# Altium PCB SAM_E54_Xplained_Pro.PcbDoc (part 4 of 5) (continued)
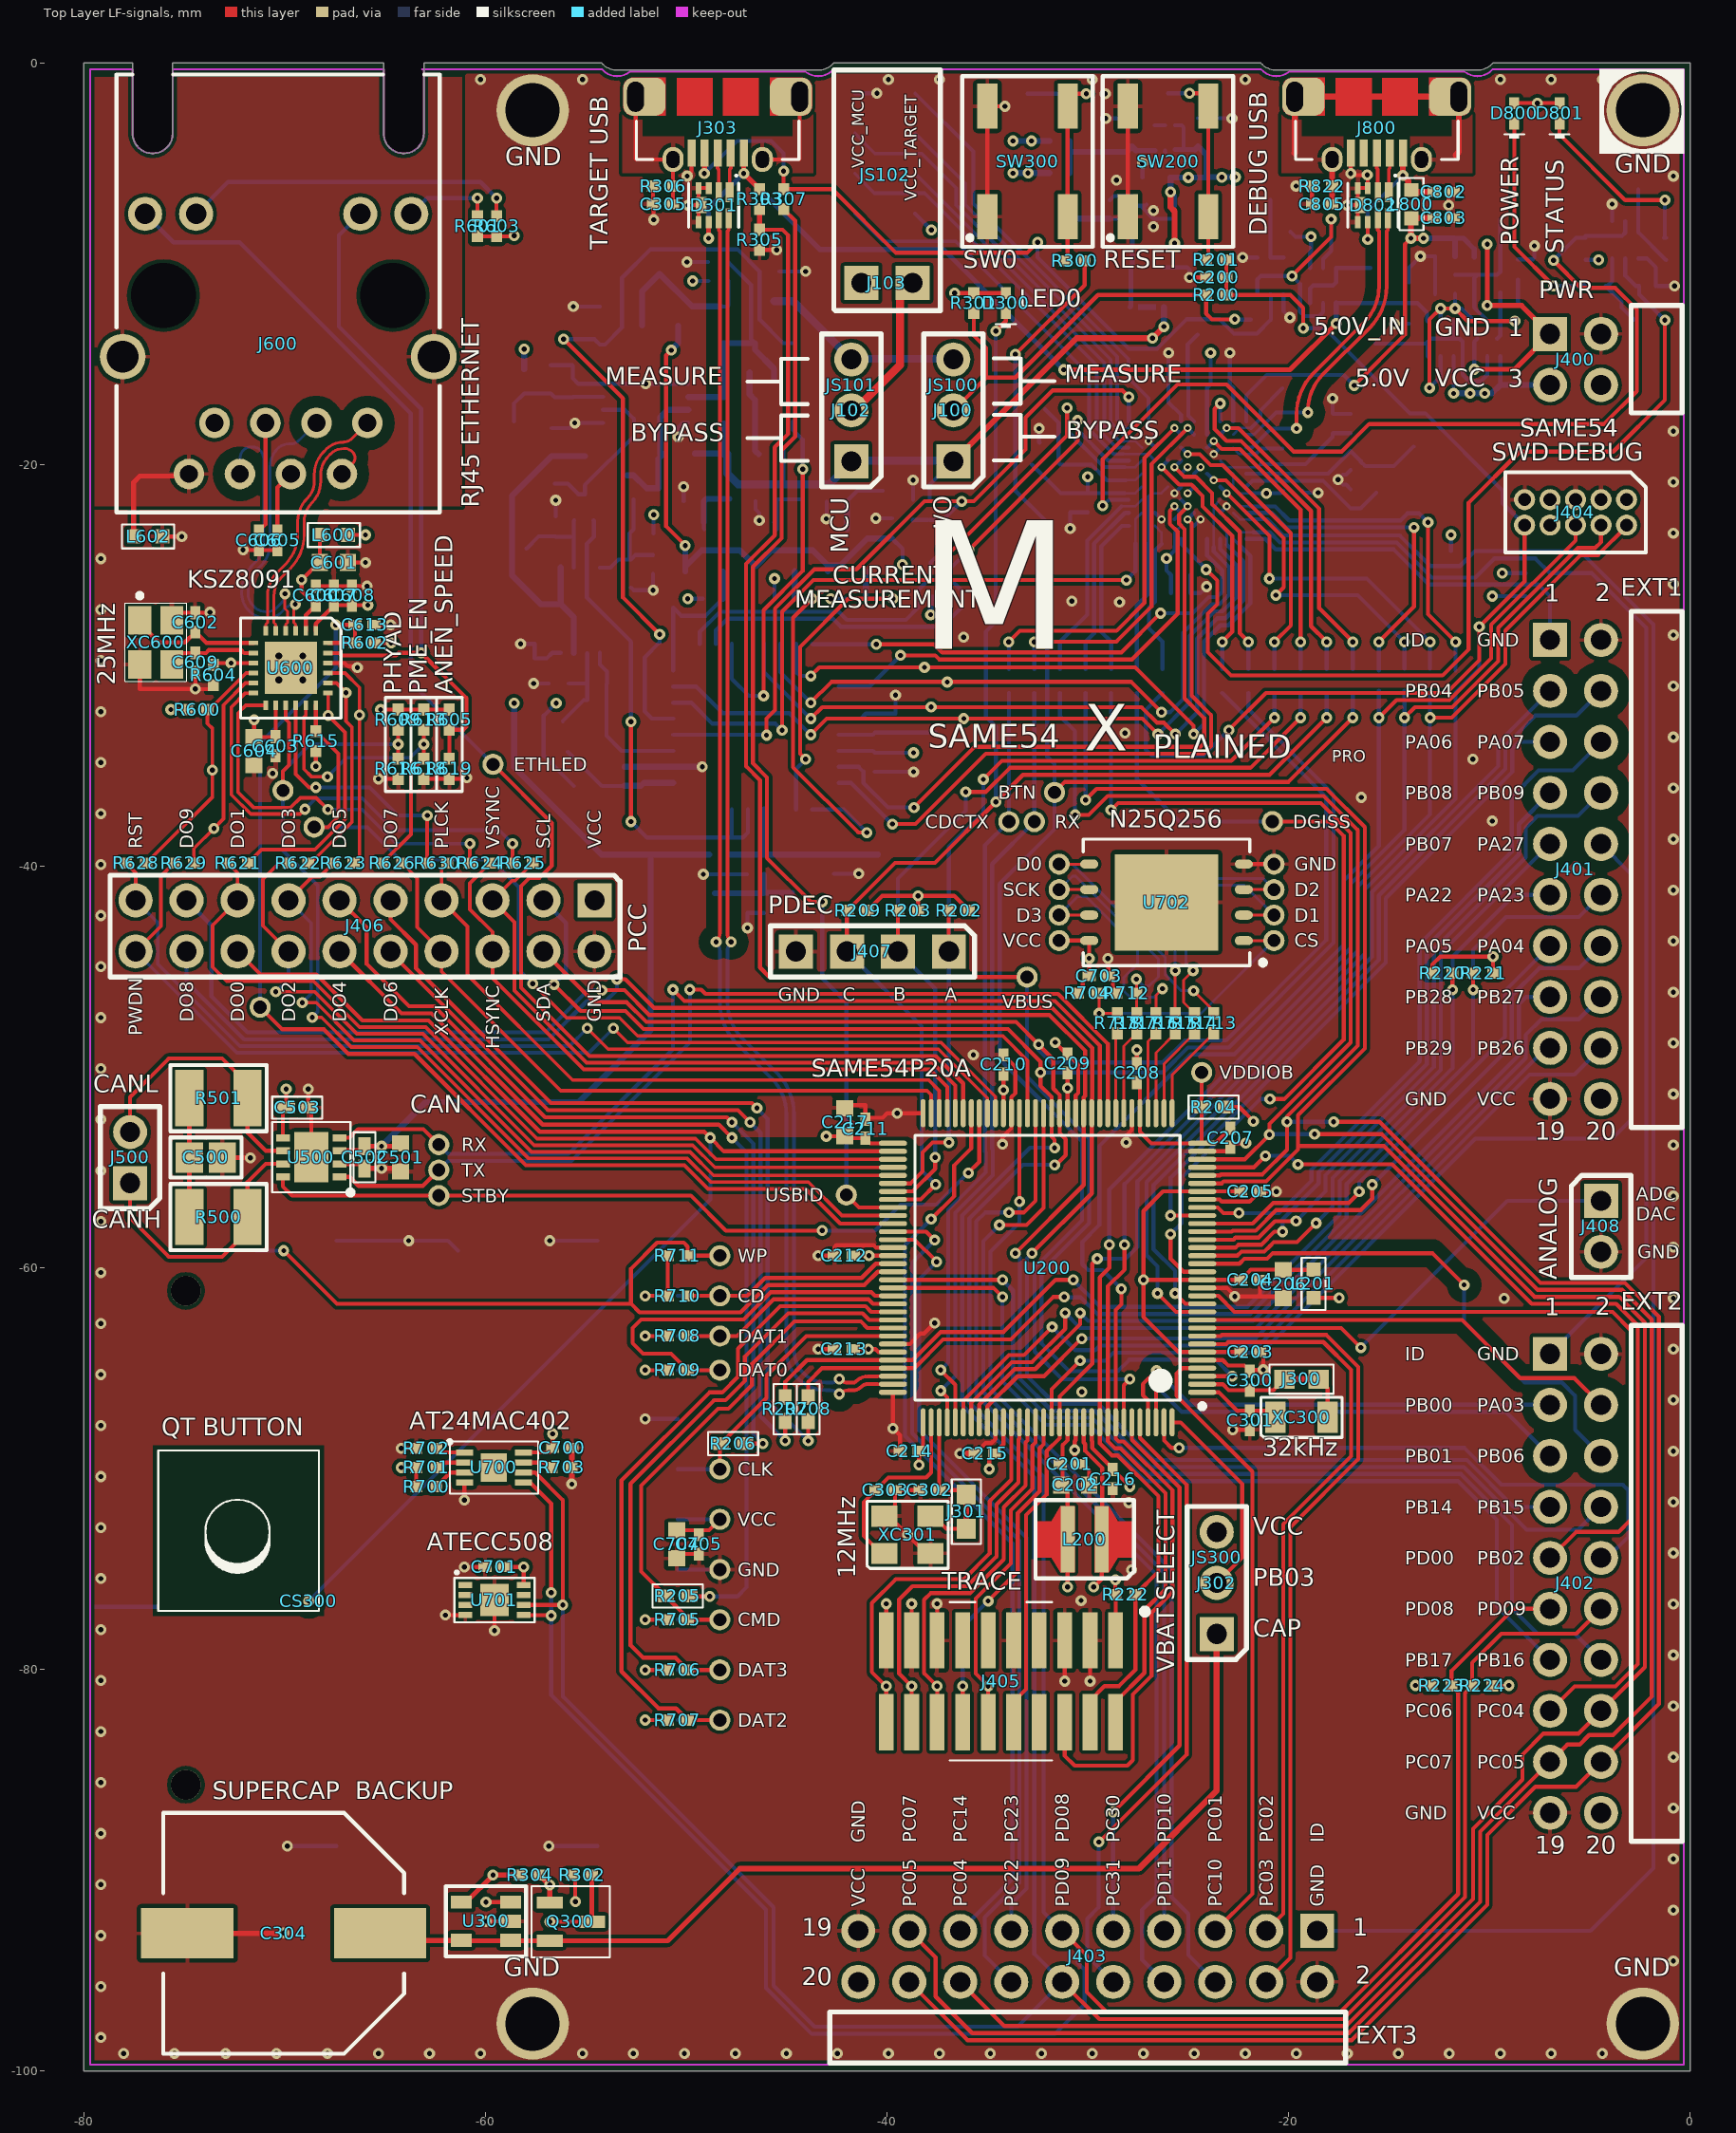
[diagram p0: Top Layer LF-signals view]
## Nets (pads, with @x,y where several pads share a name; then routed paths per layer and width w, separated by ;. In a path a pad name is that pad's centre, name@x,y a point inside that pad or via, vN(x,y) a via of type N, cw(c..) or ccw(c..) an arc to the next point about the centre after c; other vN are vias at no path point) (continued)
  Bottom Layer LF-signals w0.2: J600.10@-66.236,-7.511 -67.3,-8.575 -67.3,-13.125 -63.2,-17.225 v1(-63.2,-29.375)
PHY_MDC: R629.1 U600.11 | length 10.4
  Top Layer LF-signals w0.18: R629.1@-74.525,-39.85 -74.525,-39.117 v3(-73.525,-38.117) -73.05,-37.642 -73.05,-31.971 -71.958,-30.88 U600.11@-71.56,-30.88
PHY_MDIO: R600.1 R628.1 U600.10 | length 12.2
  Top Layer LF-signals w0.18: R628.1@-76.9,-39.85 -73.6,-36.55 v3(-73.6,-35.216) -73.6,-33.15 -73.85,-32.9 R600.1@-73.85,-32.2 -73.745,-32.2 -71.925,-30.38 U600.10@-71.56,-30.38
PHY_REFCLK: R630.1 U600.16 | length 13.2
  Top Layer LF-signals w0.18: U600.16@-69.45,-31.99 -69.45,-35.416 -68.79,-36.077 v1(-68.453,-36.077) ; R630.1@-62.9,-39.85 v3(-62.9,-37.475)
  Bottom Layer LF-signals w0.18: v1(-68.453,-36.077) -65.764,-36.077 -64.366,-37.475 v3(-62.9,-37.475)
PHY_RXD0: R624.1 U600.13 | length 19.5
  Top Layer LF-signals w0.18: U600.13@-70.95,-31.99 -71.94,-31.99 -72.325,-32.375 -72.325,-36.308 -71.556,-37.077 -69.704,-37.077 -69.219,-36.592 -68.434,-36.592 v1(-67.85,-37.176) ; R624.1@-60.775,-39.85 v3(-60.775,-38.875)
  Bottom Layer LF-signals w0.18: v1(-67.85,-37.176) -66.149,-37.176 -64.45,-38.875 v3(-60.775,-38.875)
PHY_RXD1: R625.1 U600.12 | length 22.4
  Top Layer LF-signals w0.18: U600.12@-71.56,-31.38 -71.955,-31.38 -72.655,-32.08 -72.655,-36.444 -71.692,-37.407 -69.241,-37.407 v1(-69,-37.166) ; R625.1@-58.65,-39.85 v3(-58.65,-38.875)
  Bottom Layer LF-signals w0.18: v1(-69,-37.166) -68.45,-36.616 -66.136,-36.616 -64.552,-38.2 -59.325,-38.2 v3(-58.65,-38.875)
PHY_RXER: R613.1 R618.2 R626.1 U600.17 | length 17.5
  Top Layer LF-signals w0.18: U600.17@-68.95,-31.99 -68.95,-32.481 -69.043,-32.575 -69.043,-35.168 -68.671,-35.54 -67.872,-35.54 v1(-67.871,-35.541) ; R626.1@-65.15,-39.85 -63.71,-38.41 -63.71,-35.285 R618.2@-63.075,-34.65 R613.1@-63.075,-33.2
  Bottom Layer LF-signals w0.18: v1(-67.871,-35.541) -66.93,-34.6 -63.752,-34.6 v3(-63.075,-33.924)
PHY_TXD0: R622.1 U600.20 | length 10.7
  Top Layer LF-signals w0.18: R622.1@-68.825,-39.85 -68.708,-39.85 -66.655,-37.797 -66.655,-33.07 -66.95,-32.775 v3(-66.95,-31.355) -67.425,-30.88 U600.20@-67.84,-30.88
PHY_TXD1: R623.1 U600.21 | length 10.7
  Top Layer LF-signals w0.18: U600.21@-67.84,-30.38 -66.995,-30.38 -66.275,-31.1 v3(-66.275,-32.475) -66.275,-39.55 R623.1@-66.575,-39.85
PHY_TXEN: R621.1 U600.19 | length 12.4
  Top Layer LF-signals w0.18: R621.1@-71.825,-39.85 -71.15,-39.175 -68.5,-39.175 -66.995,-37.67 -66.995,-33.335 v3(-67.84,-32.49) U600.19@-67.84,-31.38
POWER_LED_CTRL: Q800.2 R804.1 U800.K4 | length 48.7
  Top Layer LF-signals w0.2: v1(-29.25,-22.05) -29.25,-19.725 -25.525,-16 -23.084,-16 -19.734,-19.35 -17.35,-19.35 -15.975,-17.975 -4.275,-17.975 -2.65,-16.35 -2.65,-12.275 -3.725,-11.2 -5.425,-11.2 v3(-6.8,-9.825) ; v3@-6.8,-9.725 v3@-6.75,-9.775
  Bottom Layer LF-signals w0.175: v1(-29.25,-22.05) -28.95,-21.75 U800.K4@-27.95,-21.75
  Bottom Layer LF-signals w0.2: v3(-6.8,-9.825) -5.675,-8.7 R804.1@-5.2,-8.7 -5.25,-8.65 -5.2,-8.6 -3.375,-8.6 -3.225,-8.45 Q800.2@-3.225,-7.875
QCS: pad.0@-20.725,-43.705 R704.1 R718.1 U702.1 | length 13.6
  Top Layer LF-signals w0.14: R704.1@-29.5,-46.326 -29.434,-46.392 v1(-29.434,-47.325) R718.1@-28.52,-47.325 ; U702.1@-22.225,-43.705 pad.0@-20.725,-43.705
  Bottom Layer LF-signals w0.14: v1(-29.434,-47.325) -24.345,-47.325 pad.0@-20.725,-43.705
QIO0: pad.0@-31.425,-39.895 R713.1 U702.5 | length 12.9
  Top Layer LF-signals w0.14: pad.0@-31.425,-39.895 U702.5@-29.925,-39.895 ; v1(-24.726,-46.202) -23.72,-47.208 R713.1@-23.72,-47.325
  Bottom Layer LF-signals w0.14: pad.0@-31.425,-39.895 -30.774,-39.895 -26.135,-44.534 -26.135,-45.405 -25.338,-46.202 v1(-24.726,-46.202)
QIO1: pad.0@-20.725,-42.435 R714.1 U702.2 | length 12.9
  Top Layer LF-signals w0.14: v1(-24.75,-45.2) -25.225,-45.675 -25.225,-46.78 R714.1@-24.68,-47.325 ; U702.2@-22.225,-42.435 pad.0@-20.725,-42.435
  Bottom Layer LF-signals w0.14: v1(-24.75,-45.2) -25.1,-44.85 -25.1,-41.777 -24.273,-40.95 -22.21,-40.95 pad.0@-20.725,-42.435
QIO2: pad.0@-20.725,-41.165 R715.1 U702.3 | length 12.6
  Top Layer LF-signals w0.14: R715.1@-25.64,-47.325 v1(-25.64,-45.2) ; U702.3@-22.225,-41.165 pad.0@-20.725,-41.165
  Bottom Layer LF-signals w0.14: v1(-25.64,-45.2) -25.64,-41.815 -24.445,-40.62 -21.27,-40.62 pad.0@-20.725,-41.165
QIO3: pad.0@-31.425,-42.435 R716.1 U702.7 | length 12.8
  Top Layer LF-signals w0.14: pad.0@-31.425,-42.435 U702.7@-29.925,-42.435 ; R716.1@-26.6,-47.325 -26.6,-46.425 v1(-26.276,-46.101)
  Bottom Layer LF-signals w0.14: pad.0@-31.425,-42.435 -30.515,-41.525 -30.075,-41.525 -27.525,-44.075 -27.525,-44.869 -28.2,-45.544 -28.2,-46.213 -27.888,-46.525 -26.7,-46.525 v1(-26.276,-46.101)
QSCK: pad.0@-31.425,-41.165 R712.2 R717.1 U702.6 | length 12.5
  Top Layer LF-signals w0.14: pad.0@-31.425,-41.165 U702.6@-29.925,-41.165 ; R712.2@-27.575,-46.401 R712.2@-27.575,-46.326 v1(-27.575,-45.626) ; R717.1@-27.56,-47.325 R712.2@-27.56,-46.385
  Bottom Layer LF-signals w0.14: pad.0@-31.425,-41.165 -30.76,-40.5 -30.601,-40.5 -26.484,-44.617 -26.484,-45.509 -26.95,-45.975 -27.226,-45.975 v1(-27.575,-45.626)
RCT: C606.1 J600.5@-70.96,-17.925 | length 5.5
  Top Layer LF-signals w0.2: C606.1@-71.288,-23.3 -70.96,-22.972 J600.5@-70.96,-17.925
RJ45_GND: J600.8@-74.77,-20.465 J600.13@-62.578,-14.623 J600.14@-78.072,-14.623 L602.2 | length 5.6
  Top Layer LF-signals w0.25: L602.2@-77.525,-23.575 -77.525,-20.875 -77.22,-20.57 J600.8@-74.775,-20.57
RX_N: J600.6@-72.23,-20.465 U600.3 | length 14.7
  Top Layer LF-signals w0.14: v1(-69.475,-26.95) -69.54,-27.015 -69.54,-27.87 -69.45,-27.96 U600.3@-69.45,-28.27
  Bottom Layer LF-signals w0.14: J600.6@-72.235,-20.57 J600.6@-72.235,-20.465 ; J600.6@-72.23,-20.465 -72.23,-19.71 cw(c-71.615,-19.71) -72.05,-19.275 -72.019,-19.244 cw(c-71.731,-19.533) -71.731,-19.125 -71.552,-19.125 cw(c-71.552,-19.552) -71.25,-19.25 cw(c-71.733,-19.733) -71.05,-19.733 -71.05,-23.915 cw(c-72.335,-23.915) -71.426,-24.824 -71.556,-24.954 ccw(c-70.135,-26.375) -72.145,-26.375 -72.145,-26.421 ccw(c-70.971,-26.421) -71.801,-27.251 -71.731,-27.321 ccw(c-70.95,-26.54) -70.95,-27.645 -70.87,-27.645 ccw(c-70.87,-26.655) -70.17,-27.355 -69.97,-27.155 cw(c-69.475,-27.65) v1(-69.475,-26.95)
RX_P: J600.3@-68.42,-17.925 U600.4 | length 14.8
  Top Layer LF-signals w0.14: v1(-69.991,-26.434) -70,-26.443 -70,-27.167 -69.86,-27.307 -69.86,-27.87 -69.95,-27.96 U600.4@-69.95,-28.27
  Bottom Layer LF-signals w0.14: v1(-69.991,-26.434) cw(c-70.691,-26.434) -70.196,-26.929 -70.396,-27.129 cw(c-70.87,-26.655) -70.87,-27.325 -70.95,-27.325 cw(c-70.95,-26.54) -71.505,-27.095 -71.575,-27.025 cw(c-70.971,-26.421) -71.825,-26.421 -71.825,-26.375 cw(c-70.135,-26.375) -71.33,-25.18 -71.2,-25.05 ccw(c-72.335,-23.915) -70.73,-23.915 -70.73,-20.117 cw(c-69.433,-20.117) -70.35,-19.2 cw(c-69.775,-19.775) -69.775,-18.962 -69.7,-18.962 ccw(c-69.7,-18.375) -69.285,-18.79 J600.3@-68.42,-17.925
SHIELD: C805.2 J800.6@-11.512,-1.675 J800.7@-19.687,-1.675 J800.8@-13.375,-4.8 J800.9@-17.825,-4.8 R822.2 | length 16.2
  Top Layer LF-signals w0.3: -19.7,-4.476 -19.687,-4.463 J800.7@-19.687,-1.675 J800.6@-11.512,-1.675 -11.512,-4.424 -11.675,-4.587 ; C805.2@-17.85,-7.025 -17.8,-7.025 -17.825,-7 R822.2@-17.825,-6.125 J800.9@-17.825,-4.8
STATUS_LED_CTRL: Q800.5 R807.2 U800.F1 | length 47.7
  Top Layer LF-signals w0.2: v1(-24.101,-25.226) -23.55,-25.777 -23.55,-26.95 -24.025,-27.425 -24.025,-29.338 -22.863,-30.5 -12.325,-30.5 -11.025,-29.2 -11.025,-21.899 -8.476,-19.35 -3.822,-19.35 -1.25,-16.778 v3(-1.25,-12.8)
  Bottom Layer LF-signals w0.2: U800.F1@-25.35,-23.7 -25.35,-23.95 v1@-24.101,-25.199 ; Q800.5@-3.225,-9.725 -3.225,-10.575 R807.2@-2.7,-11.1 -2.525,-11.1 -2.525,-11.525 v3(-1.25,-12.8)
TARGET_RESET_SENSE: pad.3@-26.28,-28.825 R812.2 U800.H2 | length 7.8
  Bottom Layer LF-signals w0.125: U800.H2@-26.65,-23.05 -26.325,-23.375 -26.325,-23.95
  Bottom Layer LF-signals w0.2: -26.325,-23.95 -26.656,-24.281 -26.656,-26.839 -26.946,-27.129 -26.946,-28.158 pad.3@-26.28,-28.825 R812.2@-26.28,-30.175
TARGET_RESETN: C200.1 J404.10 J405.10 R200.1 R201.2 R802.2 R812.1 U200.114 | length 116.8
  Top Layer LF-signals w0.2: J405.10@-33.69,-82.635 -33.69,-81.615 -33.07,-80.995 -33.07,-72.32 -32.05,-71.3 -32.05,-69.138 -31.4,-68.488 U200.114@-31.4,-67.7 -31.4,-66.402 -29.776,-64.778 -29.776,-59.801 v1(-29.525,-59.55) ; R201.2@-23.1,-9.8 R200.1@-23.1,-11.55 -19.9,-11.55 -19.263,-12.187 v1(-19.263,-13.2) ; v1@-22.971,-33.221 -21.125,-31.375 -12.13,-31.375 -10.5,-29.745 v1(-10.5,-28.075) -8.24,-25.815 J404.10@-8.24,-23.01
  Bottom Layer LF-signals w0.2: v1(-29.525,-59.55) -28.12,-59.55 -27.525,-58.955 -27.525,-55.69 -16.2,-44.365 -16.2,-41.164 -11.674,-36.638 R802.2@-11.674,-31.35 -10.5,-30.176 v1(-10.5,-28.075) ; R812.1@-26.28,-31.375 -27.1,-32.195 -27.1,-34.2 -26.825,-34.475 -24.221,-34.475 v1(-22.971,-33.225) ; v1(-19.263,-13.2) -18.2,-13.2 -13.955,-17.445 -13.175,-17.445 -9.325,-21.295 -9.325,-21.925 J404.10@-8.24,-23.01
TARGET_USB_N: D301.8 U200.94 | length 63.7
  Top Layer LF-signals w0.18: D301.8@-47.884,-7.725 -47.884,-8.315 -47.944,-8.375 -47.944,-43.328 ccw(c-47.312,-43.328) v1(-47.759,-43.775) ; v1(-42.375,-65.54) ccw(c-41.928,-65.093) -41.928,-65.725 -41.705,-65.725 ccw(c-41.705,-65.49) -41.539,-65.656 cw(c-40.944,-66.251) -40.944,-65.41 -40.5,-65.41 cw(c-40.476,-65.434) -40.476,-65.4 U200.94@-39.7,-65.4
  Bottom Layer LF-signals w0.18: v1(-47.759,-43.775) ccw(c-47.312,-44.222) -47.944,-44.222 -47.944,-46.782 ccw(c-45.404,-46.782) -47.2,-48.578 -45.485,-50.293 cw(c-47.55,-52.358) -44.63,-52.358 -44.63,-64.125 ccw(c-43.03,-64.125) -43.03,-65.725 -42.822,-65.725 ccw(c-42.822,-65.093) v1(-42.375,-65.54)
TARGET_USB_P: D301.7 U200.95 | length 64.3
  Top Layer LF-signals w0.18: v1(-48.509,-43.775) ccw(c-48.956,-43.328) -48.324,-43.328 -48.324,-8.375 -48.384,-8.315 D301.7@-48.384,-7.725 ; v1(-42.375,-66.29) cw(c-41.928,-66.737) -41.928,-66.105 -41.705,-66.105 ccw(c-41.705,-65.49) -41.27,-65.925 cw(c-40.944,-66.251) -40.944,-65.79 -40.5,-65.79 ccw(c-40.476,-65.766) -40.476,-65.8 U200.95@-39.7,-65.8
  Bottom Layer LF-signals w0.18: v1(-48.509,-43.775) cw(c-48.956,-44.222) -48.324,-44.222 -48.324,-46.782 ccw(c-45.404,-46.782) -47.469,-48.847 -45.753,-50.562 cw(c-47.55,-52.358) -45.01,-52.358 -45.01,-64.125 ccw(c-43.03,-64.125) -43.03,-66.105 -42.822,-66.105 cw(c-42.822,-66.737) v1(-42.375,-66.29)
TARGET_USB_SHIELD: C305.2 J303.6@-44.347,-1.675 J303.7@-52.522,-1.675 J303.8@-46.209,-4.8 J303.9@-50.659,-4.8 R306.2 | length 12.1
  Top Layer LF-signals w0.2: J303.7@-52.522,-1.675 -52.522,-4.763 -52.484,-4.8 J303.9@-50.659,-4.8 C305.2@-50.659,-7.006 ; J303.8@-46.209,-4.8 -44.384,-4.8 -44.347,-4.763 J303.6@-44.347,-1.675
TCT: C605.1 J600.4@-69.69,-20.465 | length 3.1
  Top Layer LF-signals w0.2: C605.1@-70.363,-23.3 -70.363,-21.138 J600.4@-69.69,-20.465
TUSB_N: D301.1 J303.2 | length 2
  Top Layer LF-signals w0.18: D301.1@-47.834,-6.425 -47.834,-5.29 -47.784,-5.24 J303.2@-47.784,-4.475
TUSB_P: D301.2 J303.3 | length 2
  Top Layer LF-signals w0.18: J303.3@-48.434,-4.475 -48.434,-5.24 -48.384,-5.29 D301.2@-48.384,-6.425
TX_N: J600.2@-67.15,-20.465 U600.5 | length 12.5
  Top Layer LF-signals w0.14: U600.5@-70.45,-28.27 -70.45,-27.96 -70.54,-27.87 -70.54,-26.541 cw(c-69.209,-26.541) -70.15,-25.6 -69.743,-25.193 ccw(c-71.463,-23.472) -69.03,-23.472 -69.03,-22.822 cw(c-67.728,-22.822) -68.649,-21.901 ccw(c-69.711,-20.839) -68.246,-21.172 ccw(c-69.711,-20.839) -68.209,-20.839 -68.209,-20.501 cw(c-66.899,-20.501) -67.825,-19.575 -67.715,-19.465 cw(c-67.075,-20.105) -67.075,-19.2 -67.027,-19.2 cw(c-67.027,-19.768) -66.625,-19.366 ; J600.2@-67.15,-20.465 -66.604,-19.919 ccw(c-66.856,-19.668) -66.5,-19.668 ; -66.623,-19.368 ccw(c-66.926,-19.668) -66.625,-19.367 cw(c-66.926,-19.668) -66.5,-19.668 ; -66.551,-19.851 ccw(c-66.856,-19.668) -66.5,-19.668
TX_P: J600.1@-65.88,-17.925 U600.6 | length 12.4
  Top Layer LF-signals w0.14: U600.6@-70.95,-28.27 -70.95,-27.96 -70.86,-27.87 -70.86,-26.541 cw(c-69.209,-26.541) -70.376,-25.374 -69.969,-24.966 ccw(c-71.463,-23.472) -69.35,-23.472 -69.35,-22.822 cw(c-67.728,-22.822) -68.875,-21.675 ccw(c-69.711,-20.839) -68.56,-21.107 ccw(c-69.711,-20.839) -68.529,-20.839 -68.529,-20.501 cw(c-66.899,-20.501) -68.051,-19.349 -67.941,-19.239 cw(c-67.075,-20.105) -67.075,-18.88 ; -67.075,-18.874 ccw(c-67.075,-18.279) -66.655,-18.7 J600.1@-65.88,-17.925
USB_HS_N: D802.1 J800.2 | length 2
  Top Layer LF-signals w0.18: D802.1@-15,-6.425 -15,-5.29 -14.95,-5.24 J800.2@-14.95,-4.475
USB_HS_P: D802.2 J800.3 | length 2
  Top Layer LF-signals w0.18: J800.3@-15.6,-4.475 -15.6,-5.24 -15.55,-5.29 D802.2@-15.55,-6.425
VCC_CM_CORE: C1101.1 C1102.1 pad.3@-37.55,-33.35 U1100.29 | length 4.9
  Bottom Layer LF-signals w0.2: U1100.29@-42.399,-33.451 -40.701,-33.451 C1101.1@-40.6,-33.35 C1102.1@-39.575,-33.35 pad.3@-37.55,-33.35
VCC_CM_IN_P3V3: J100.1@-36.696,-19.84 J101.1 J102.1@-41.776,-19.84 R111.2 R1200.1 R1201.1 R1202.1 R1204.2 | length 34.9
  Top Layer LF-signals w0.3: J100.1@-36.696,-19.84 -30.556,-13.7 v1@-26.925,-13.7 ; v1(-26.775,-13.7) v1(-26.2,-13.125)
  Bottom Layer LF-signals w0.2: R111.2@-37.875,-21.75 -37.875,-20.989 -36.711,-19.825 J100.1@-36.696,-19.81
  Bottom Layer LF-signals w0.3: R1204.2@-49.575,-19.45 R1200.1@-48.125,-19.45 ; R1201.1@-45.2,-19.3 -45.2,-20.95 -45.175,-20.975 -45.15,-21 ; v1(-26.775,-13.7) v1(-26.2,-13.125) J101.1@-26.2,-12.15
  Bottom Layer LF-signals w0.4: R1202.1@-48.125,-18 R1202.1@-48.125,-18.025 -48.125,-19.45 R1200.1@-48.1,-19.475 ; R1200.1@-47.95,-19.475 -47.95,-20.447 -47.422,-20.975 -45.175,-20.975 -42.86,-20.975 -41.751,-19.865 -41.695,-19.81 J100.1@-36.696,-19.81
VCC_CM_P3V3: C1100.1 C1103.1 L1100.1 L1200.1 R101.1 R902.2 R1000.2 R1001.2 R1002.2 R1102.2 R1103.2 U1100.30 | length 16.5
  Bottom Layer LF-signals w0.2: v1(-56.475,-31.875) -57.1,-32.5 -57.1,-34.5 L1100.1@-55.6,-36 ; L1200.1@-51.625,-23.425 v1(-51.625,-22.5) ; v1(-49.925,-26.675) R1000.2@-49.175,-26.675 ; v1(-49.675,-10.85) R902.2@-48.9,-10.85 ; R1001.2@-45.6,-26.675 v1(-45.6,-25.675) ; v1(-42.8,-26.675) R1002.2@-42.05,-26.675 ; U1100.30@-42.399,-34.251 -40.699,-34.251 C1100.1@-40.6,-34.35 C1103.1@-39.575,-34.35 v1(-38.675,-34.35)
  Bottom Layer LF-signals w0.3: v2(-37.825,-27.475) R1102.2@-37.825,-26.628 R1103.2@-36.925,-26.628 ; v3(-33.717,-3.879) v2(-32.8,-3.879) R101.1@-31.9,-3.879
VCC_CM_VDDANA: C1104.1 C1105.1 L1100.2 pad.3@-55.9,-34.3 U1100.9 | length 6
  Bottom Layer LF-signals w0.2: pad.3@-55.9,-34.3 L1100.2@-54.2,-36 C1105.1@-53.075,-36
  Bottom Layer LF-signals w0.3: C1105.1@-53.075,-36 C1104.1@-52.25,-36 -52.101,-35.851 U1100.9@-50.649,-35.851
VCC_EDBG_P3V3: C809.1 C810.1 C811.1 C812.1 C813.1 C814.1 C815.1 D800.2 D801.2 L801.1 R103.1 R800.2 R801.2 R804.2 R823.2 TP807.1 U800.B5 U800.B6 U800.D9 U800.D10 U800.E5 U800.F2 U800.F6 U800.J5 | length 28.7
  Top Layer LF-signals w0.2: D800.2@-8.75,-1.993 v4(-7.6,-1.993) D801.2@-6.5,-1.993
  Bottom Layer LF-signals w0.125: -28.159,-21.425 -27.625,-21.425 U800.J5@-27.3,-21.1 ; -25.675,-24.05 -25.675,-23.375 U800.F2@-25.35,-23.05 ; U800.B6@-22.75,-20.45 U800.B5@-22.75,-21.1 -22.425,-21.425 -21.825,-21.425
  Bottom Layer LF-signals w0.175: v1(-26.075,-24.675) -25.675,-24.275 -25.675,-24.05
  Bottom Layer LF-signals w0.2: TP807.1@-38.6,-7.5 v1(-37.787,-8.313) ; L801.1@-32.775,-20 -31.35,-21.425 C814.1@-30.875,-21.425 C813.1@-30,-21.425 ; v1(-30,-20.6) C813.1@-30,-21.425 ; -28.159,-21.425 C813.1@-30,-21.425 ; v1(-26.075,-24.675) -26.075,-25.275 C812.1@-25.85,-25.5 C815.1@-25.85,-26.4 ; U800.F6@-25.35,-20.45 v6(-25.025,-20.125) ; v6(-25.025,-21.425) U800.E5@-24.7,-21.1 ; U800.D9@-24.05,-18.5 U800.D10@-24.05,-17.85 -24.05,-16.175 C810.1@-23.875,-16 C809.1@-23.875,-15.1 v2(-23.875,-14.425) ; -21.825,-21.425 v4(-21.1,-21.425) -20.4,-21.425 C811.1@-20.275,-21.3 ; R823.2@-11.903,-24.3 v1@-11.903,-23.503 ; v1(-9.85,-26.55) R800.2@-8.175,-26.55 ; v1(-9.35,-25.4) R801.2@-8.175,-25.4 ; R804.2@-5.2,-9.8 v4(-4.55,-9.8)
  Bottom Layer LF-signals w0.3: v2(-33.725,-5.483) -33.717,-5.475 v2(-32.975,-5.475) R103.1@-31.9,-5.475
  other v1: -11.9,-23.5
VCC_EDBG_USB_P5V0: C803.1 L800.2 Q101.1 R106.2 U800.A10 | length 23.3
  Top Layer LF-signals w0.2: v3(-16.725,-16.05) -14.2,-13.525 -14.2,-9.025 v1(-13.9,-8.725)
  Top Layer LF-signals w0.3: v1(-13.275,-8.725) v1(-13.9,-8.725) -13.9,-7.75 L800.2@-13.875,-7.725 C803.1@-12.75,-7.725
  Bottom Layer LF-signals w0.2: U800.A10@-22.1,-17.85 -22.1,-16.55 -21.08,-15.53 -17.245,-15.53 v3(-16.725,-16.05)
  Bottom Layer LF-signals w0.25: -11.75,-8.725 -11.282,-8.725 -10.746,-9.261 Q101.1@-10.746,-9.675
  Bottom Layer LF-signals w0.3: v1(-13.9,-8.725) v1(-13.275,-8.725) -11.75,-8.725 -11.7,-8.775 R106.2@-11.7,-9.625
VCC_EXT_P5V0: J400.1@-6.97,-13.49 Q100.6 Q100.7 Q101.2 Q101.5 R100.2 | length 17.6
  Top Layer LF-signals w0.25: v1(-10.75,-15.25) -8.73,-15.25 J400.1@-6.97,-13.49 -8.385,-12.075 v1(-10.1,-12.075) v1(-10.1,-9.025)
  Bottom Layer LF-signals w0.2: v1@-10.746,-15.246 Q100.6@-10.746,-14.6 -10.746,-13.885 Q100.7@-10.586,-13.725 ; v1@-10.1,-12.125 -10.096,-12.121 Q101.5@-10.096,-11.425 ; v1(-10.1,-9.025) -10.1,-9.671 Q101.2@-10.096,-9.675 ; R100.2@-8.575,-10.775 -8.575,-11.885 J400.1@-6.97,-13.49
VCC_FILTER_P3V3: C1200.1 C1201.1 L1200.2 pad.3@-52.625,-21.725 U1200.8 | length 5.9
  Bottom Layer LF-signals w0.2: U1200.8@-54.3,-25.125 -53.775,-25.125 -53.376,-24.726 C1201.1@-52.75,-24.725 ; C1201.1@-52.825,-24.651 L1200.2@-52.825,-23.425 -52.625,-23.225 pad.3@-52.625,-21.725 ; C1201.1@-52.75,-24.725 -52.523,-24.5 C1200.1@-51.65,-24.5
VCC_MCU_P3V3: C209.1 C210.1 C211.1 C212.1 C213.1 C214.1 C215.1 C216.1 C217.1 J103.1 J302.3@-23.575,-73.16 L201.1 R204.1 U200.46 U200.54 U200.65 U200.79 U200.91 U200.97 U200.107 U200.118 | length 23
  Top Layer LF-signals w0.2: v1(-43.025,-53.45) C217.1@-42.1,-53.45 ; C217.1@-41.9,-53.55 C211.1@-41.075,-53.55 -40.825,-53.8 U200.65@-39.7,-53.8 ; C213.1@-41.675,-64.05 v1(-40.925,-64.05) -40.58,-64.05 -40.43,-64.2 U200.91@-39.7,-64.2 ; C212.1@-41.675,-59.4 U200.79@-39.7,-59.4 ; v1(-38.4,-69.825) C214.1@-38.4,-69.125 ; C214.1@-38.2,-69.125 U200.97@-38.2,-67.7 ; v1(-34.9,-70.025) -34.9,-69.5 C215.1@-34.65,-69.25 -34.2,-68.8 U200.107@-34.2,-67.7 ; U200.54@-34.2,-52.3 v1(-34.2,-51.15) C210.1@-34.2,-50.35 ; U200.46@-31,-52.3 C209.1@-31,-50.3 C209.1@-31,-50.325 ; U200.118@-29.8,-67.7 -29.8,-68.613 -29.775,-68.638 -29.775,-68.976 C216.1@-28.763,-69.989 ; C216.1@-28.763,-70.062 C216.1@-28.763,-69.989 ; v1(-27.9,-70.9) C216.1@-28.75,-70.05 -28.75,-70.001 C216.1@-28.763,-69.989 ; R204.1@-23.125,-52 -22.45,-52 v1(-21.75,-52.7) ; L201.1@-18.75,-61.5 v1(-17.475,-61.5)
  other v1: -40.9,-59.4 -31,-51.05
VCC_MCU_VDDANA: C203.1 C204.1 C205.1 C206.1 L201.2 U200.6 U200.15 U200.26 | length 24.8
  Top Layer LF-signals w0.2: C203.1@-22.375,-64.2 U200.6@-24.3,-64.2 -25.475,-64.2 -27.225,-62.45 v3(-27.225,-60.6) ; C205.1@-22.375,-56.2 U200.26@-24.3,-56.2 -26.25,-56.2 -27.225,-57.175 v3(-27.225,-60.6) ; C206.1@-20.405,-60.1 -21.875,-60.1 C204.1@-22.375,-60.6 U200.15@-24.3,-60.6 v3(-27.225,-60.6) ; C206.1@-20.405,-59.95 C206.1@-20.25,-60.105 L201.2@-18.755,-60.105
VCC_MCU_VDDCORE: C201.1 C202.1 L200.2 U200.115 | length 8.5
  Top Layer LF-signals w0.2: v3(-31,-75.9) -31,-73.45 -31,-71.1 -31.325,-70.775 -31.25,-70.7 -31.25,-69.7 -31.25,-68.833 -31,-68.583 U200.115@-31,-67.7
VCC_MCU_VDDIOB: C207.1 C208.1 pad.0@-24.325,-50.275 R204.2 U200.32 U200.37 | length 11.9
  Top Layer LF-signals w0.2: C208.1@-27.55,-50.775 -27.551,-50.776 -27.4,-50.928 U200.37@-27.4,-52.3 -27.4,-53.225 -26.825,-53.8 U200.32@-24.3,-53.8 ; -24.325,-51.15 R204.2@-24.325,-52 ; pad.0@-24.325,-50.275 R204.2@-24.325,-52 ; C207.1@-22.9,-53.05 -23.65,-53.8 U200.32@-24.3,-53.8 ; R204.2@-24.325,-52 -24.325,-53.775 U200.32@-24.3,-53.8
VCC_MCU_VSW: L200.1 U200.117 | length 8.3
  Top Layer LF-signals w0.2: U200.117@-30.2,-67.7 -30.2,-68.708 -30.125,-68.783 -30.125,-69.121 -29.275,-69.971 -29.275,-72.925 L200.1@-29.3,-72.95 ; v3(-29.7,-75.9) -29.3,-75.5 L200.1@-29.3,-73.45
VCC_P1V2: C607.1 C608.1 U600.1 | length 3.3
  Top Layer LF-signals w0.2: U600.1@-68.45,-28.27 -68.45,-27.929 -67.55,-27.029 C607.1@-67.55,-27 C608.1@-66.65,-27 v3(-65.861,-27) v3@-65.856,-26.995
VCC_P3V3: C105.1 J101.2 U101.1 | length 3.8
  Bottom Layer LF-signals w0.25: J101.2@-27.9,-12.15 -27.85,-12.1 -27.85,-10.175 -27.788,-10.113 -27.775,-10.1 U101.1@-27.775,-8.4
VCC_P5V0: C101.1 C102.1 C103.1 C501.1 C502.1 J400.3@-6.97,-16.03 L1201.1 Q100.4 Q102.4 Q103.4 R108.2 R109.2 R1104.2 U100.1 U100.6 U101.4 U101.6 U500.3 | length 66.7
  Top Layer LF-signals w0.25: U500.3@-67.263,-54.175 -66.25,-54.175 C502.1@-66.025,-53.95 v1(-65.175,-53.95) C501.1@-64.325,-53.95
  Top Layer LF-signals w0.3: v1(-25.876,-6.424) -25.876,-7.174 -25.675,-7.375 v1(-25.676,-8.975) v1(-25.676,-8.975)
  Bottom Layer LF-signals w0.2: U100.6@-25.65,-3.1 -25.325,-3.1 -25.225,-3.2 -25.225,-4.3 ; R109.2@-19.9,-8.401 -19.651,-8.65 v1(-18.875,-8.65) R108.2@-18.875,-9.35 -18.925,-9.4 Q103.4@-18.925,-10.2 ; v1(-11.775,-16.45) Q102.4@-11.775,-14.6 ; -9.446,-16.03 Q100.4@-9.446,-14.6
  Bottom Layer LF-signals w0.25: v1(-25.876,-6.424) -25.675,-6.625 U101.4@-25.675,-7.1 ; v1(-25.676,-8.975) U101.6@-25.675,-8.4 ; U100.1@-25.65,-4.3 -25.225,-4.3 C101.1@-24.651,-4.3
  Bottom Layer LF-signals w0.3: v1(-65.175,-53.95) -62.975,-51.75 -55.35,-51.75 -51.775,-48.175 -51.775,-39.425 ; v1(-58.575,-31.875) -58.575,-35.069 -54.219,-39.425 -51.775,-39.425 ; L1201.1@-58.075,-15.25 v1(-58.075,-14.25) ; R1104.2@-48.85,-39.425 -51.775,-39.425 ; v1(-25.876,-6.424) C102.1@-25.875,-5.7 v1(-24.988,-5.7) -24.1,-5.7 C103.1@-24.075,-5.675 ; C101.1@-24.651,-4.3 C101.1@-24.5,-4.15 C101.1@-24.5,-4.15 -24.075,-4.575 C103.1@-24.075,-5.675 ; v1(-22.65,-5.675) C103.1@-24.075,-5.675 ; v1(-11.775,-16.45) v1(-10.95,-16.45) v1(-10.225,-16.45) -9.866,-16.45 -9.446,-16.03 J400.3@-6.97,-16.03
  other v1: -23.325,-5.681
VCC_PRE_AMP_P5V0: C1203.1 C1204.1 L1201.2 pad.3@-58.575,-17.85 U1201.7 | length 5.6
  Bottom Layer LF-signals w0.2: pad.3@-58.575,-17.85 -58.575,-16.95 L1201.2@-58.075,-16.45 -58.073,-16.449 -56.75,-16.449 -56.687,-16.512 -56.548,-16.65 C1204.1@-55.65,-16.65 -55.625,-16.625 U1201.7@-54.15,-16.625
VCC_SUPERCAP: C304.1 J302.1@-23.575,-78.24 Q300.2 U300.1 U300.5 | length 52.5
  Top Layer LF-signals w0.25: C304.1@-65.25,-92.55 -64.95,-92.85 -64.297,-93.503 U300.5@-61.2,-93.503 -61.178,-93.525 -58.75,-93.525 Q300.2@-56.8,-93.525 ; Q300.2@-56.3,-93.525 -50.925,-93.525 -47.325,-89.925
  Top Layer LF-signals w0.3: -47.325,-89.925 -27.45,-89.925 -23.575,-86.05 J302.1@-23.575,-78.24
VCC_TARGET_P3V3: C503.1 C603.1 C604.1 C700.1 C701.1 C703.1 C704.1 C705.1 J100.2@-36.696,-17.3 J400.4@-4.43,-16.03 J401.20@-4.43,-51.59 J402.20@-4.43,-87.15 J403.20@-41.43,-95.57 J404.1 J405.1 J406.1 J700.4 L600.1 pad.0@-31.425,-43.705 pad.0@-48.325,-72.53 R110.2 R200.2 R202.2 R203.1 R209.1 R220.2 R221.2 R222.2 R223.2 R224.2 R301.2 R302.1 R600.2 R601.2 R602.2 R603.2 R605.2 R609.2 R613.2 R615.2 R700.2 R701.2 R704.2 R705.2 R706.2 R707.2 R708.2 R709.2 R710.2 R711.2 U300.3 U500.5 U600.14 U700.8 U701.8 U702.8 | length 77.6
  Top Layer LF-signals w0.2: v1(-75.675,-32.2) R600.2@-74.85,-32.2 ; v1(-71.525,-32.7) C604.1@-71.525,-33.575 -70.479,-33.575 C603.1@-70.45,-33.546 U600.14@-70.45,-31.99 ; U500.5@-70.087,-53.525 -70.087,-52.187 C503.1@-69.925,-52.025 v1(-69.925,-51.1) ; v1(-68.45,-35.025) R615.2@-68.45,-34.271 ; L600.1@-66.85,-23.5 v1(-65.976,-23.5) ; R602.2@-65.525,-28.875 -64.705,-28.875 v1(-64.7,-28.88) ; v1(-65.225,-32.2) R609.2@-64.35,-32.2 R613.2@-63.075,-32.2 R605.2@-61.8,-32.2 ; v1(-64.2,-69.95) R701.2@-63.45,-69.95 R700.2@-63.45,-70.9 ; R601.2@-60.4,-8.625 R603.2@-59.45,-8.625 -58.6,-8.625 v1(-58.575,-8.6) ; v1@-59.972,-91.597 U300.3@-58.75,-91.597 ; C701.1@-59.075,-74.9 v1(-58.1,-74.9) U701.8@-58.1,-75.8 ; U700.8@-58.1,-69.2 -56.825,-69.2 C700.1@-56.65,-69.025 ; C700.1@-56.65,-68.975 v1(-56.65,-68.275) ; R302.1@-55.7,-90.25 -55.525,-90.425 v1(-55.525,-91.575) ; v1(-52.05,-82.53) R707.2@-50.925,-82.53 ; v1(-52.05,-80.03) R706.2@-50.925,-80.03 ; v1(-52.05,-77.53) R705.2@-50.925,-77.53 ; v1(-52.05,-65.1) R709.2@-50.925,-65.1 ; v1(-52.05,-63.4) R708.2@-50.925,-63.4 ; v1(-52.05,-61.4) R710.2@-50.925,-61.4 R711.2@-50.925,-59.4 ; C704.1@-50.475,-73.076 -48.871,-73.076 pad.0@-48.325,-72.53 ; R209.1@-40.965,-42.2 -40.24,-41.475 v1(-38.45,-41.475) ; R203.1@-38.45,-42.2 v1(-38.45,-41.475) ; J100.2@-36.696,-17.3 -35.059,-15.663 ; R202.2@-35.925,-42.2 -36.65,-41.475 v1(-38.45,-41.475) ; R301.2@-35.675,-12.45 -35.675,-13.571 -35.059,-14.187 -35.059,-15.663 ; pad.0@-31.425,-43.705 U702.8@-29.925,-43.705 v1(-29.925,-44.59) C703.1@-29.925,-45.475 -29.949,-45.475 -30.249,-45.775 -30.249,-46.075 R704.2@-30.5,-46.326 ; R222.2@-28.625,-76.276 v1(-28.625,-75.55) ; J405.1@-28.61,-78.565 R222.2@-28.61,-76.291 ; v1(-22.675,-12.761) -23.814,-12.761 -24.1,-12.475 R200.2@-24.1,-11.55 -29.489,-11.55 -33.602,-15.663 -35.059,-15.663 ; v1@-13.65,-80.825 R223.2@-12.875,-80.825 ; R220.2@-12.831,-45.325 -12.831,-44.896 -12.441,-44.506 -9.806,-44.506 R221.2@-9.806,-45.325 ; R224.2@-9.85,-80.825 v1@-9.05,-80.825
  Bottom Layer LF-signals w0.2: J700.4@-50.425,-72.53 pad.0@-48.325,-72.53 ; v1@-22.661,-12.775 R110.2@-21.875,-12.775
  other v1: -59.975,-91.6 -13.675,-80.8 -9.025,-80.8 -9.813,-44.5
VCC_TARGET_USB_P5V0: D301.6 J303.1 Q102.1 Q103.1 R107.2 R303.2 | length 47.6
  Top Layer LF-signals w0.25: v1(-48.884,-8.725) D301.6@-48.884,-7.925 ; J303.1@-47.134,-4.475 v1(-47.134,-5.491) R303.2@-46.35,-6.275 ; v3(-31.2,-15.275) -19.925,-15.275 v1(-17.625,-12.975)
  Bottom Layer LF-signals w0.2: Q103.1@-17.625,-11.95 -14,-11.95 -13.575,-11.95 -13.1,-12.425 -13.1,-12.825 Q102.1@-13.075,-12.85
  Bottom Layer LF-signals w0.25: v1(-48.884,-8.725) -48.884,-7.241 v1(-47.134,-5.491) -43.35,-9.275 -37.2,-9.275 v3(-31.2,-15.275) ; v1(-17.625,-12.975) Q103.1@-17.625,-11.95
VREF_FB: C1106.1 pad.3@-48.575,-41.35 R1105.1 R1106.2 U1101.1 | length 4.7
  Bottom Layer LF-signals w0.3: pad.3@-48.575,-41.35 C1106.1@-46.975,-41.35 R1106.2@-46.15,-41.35 ; R1105.1@-46.125,-40.425 R1106.2@-46.125,-41.325 U1101.1@-44.735,-41.325
XIN0: C800.1 U800.A5 XC800.1 | length 7.5
  Bottom Layer LF-signals w0.2: U800.A5@-22.1,-21.1 -21.8,-20.8 -18.275,-20.8 C800.1@-16.9,-22.175 -16.4,-22.175 XC800.1@-15.625,-21.4
XOUT0: C801.1 U800.A6 XC800.3 | length 9.5
  Bottom Layer LF-signals w0.2: U800.A6@-22.1,-20.45 -18.025,-20.45 C801.1@-16.9,-19.325 -16.4,-19.825 -16.4,-19.854 -16.179,-20.075 -14.75,-20.075 XC800.3@-13.775,-19.1